# KiCad board nodular-base.kicad_pcb (continued)
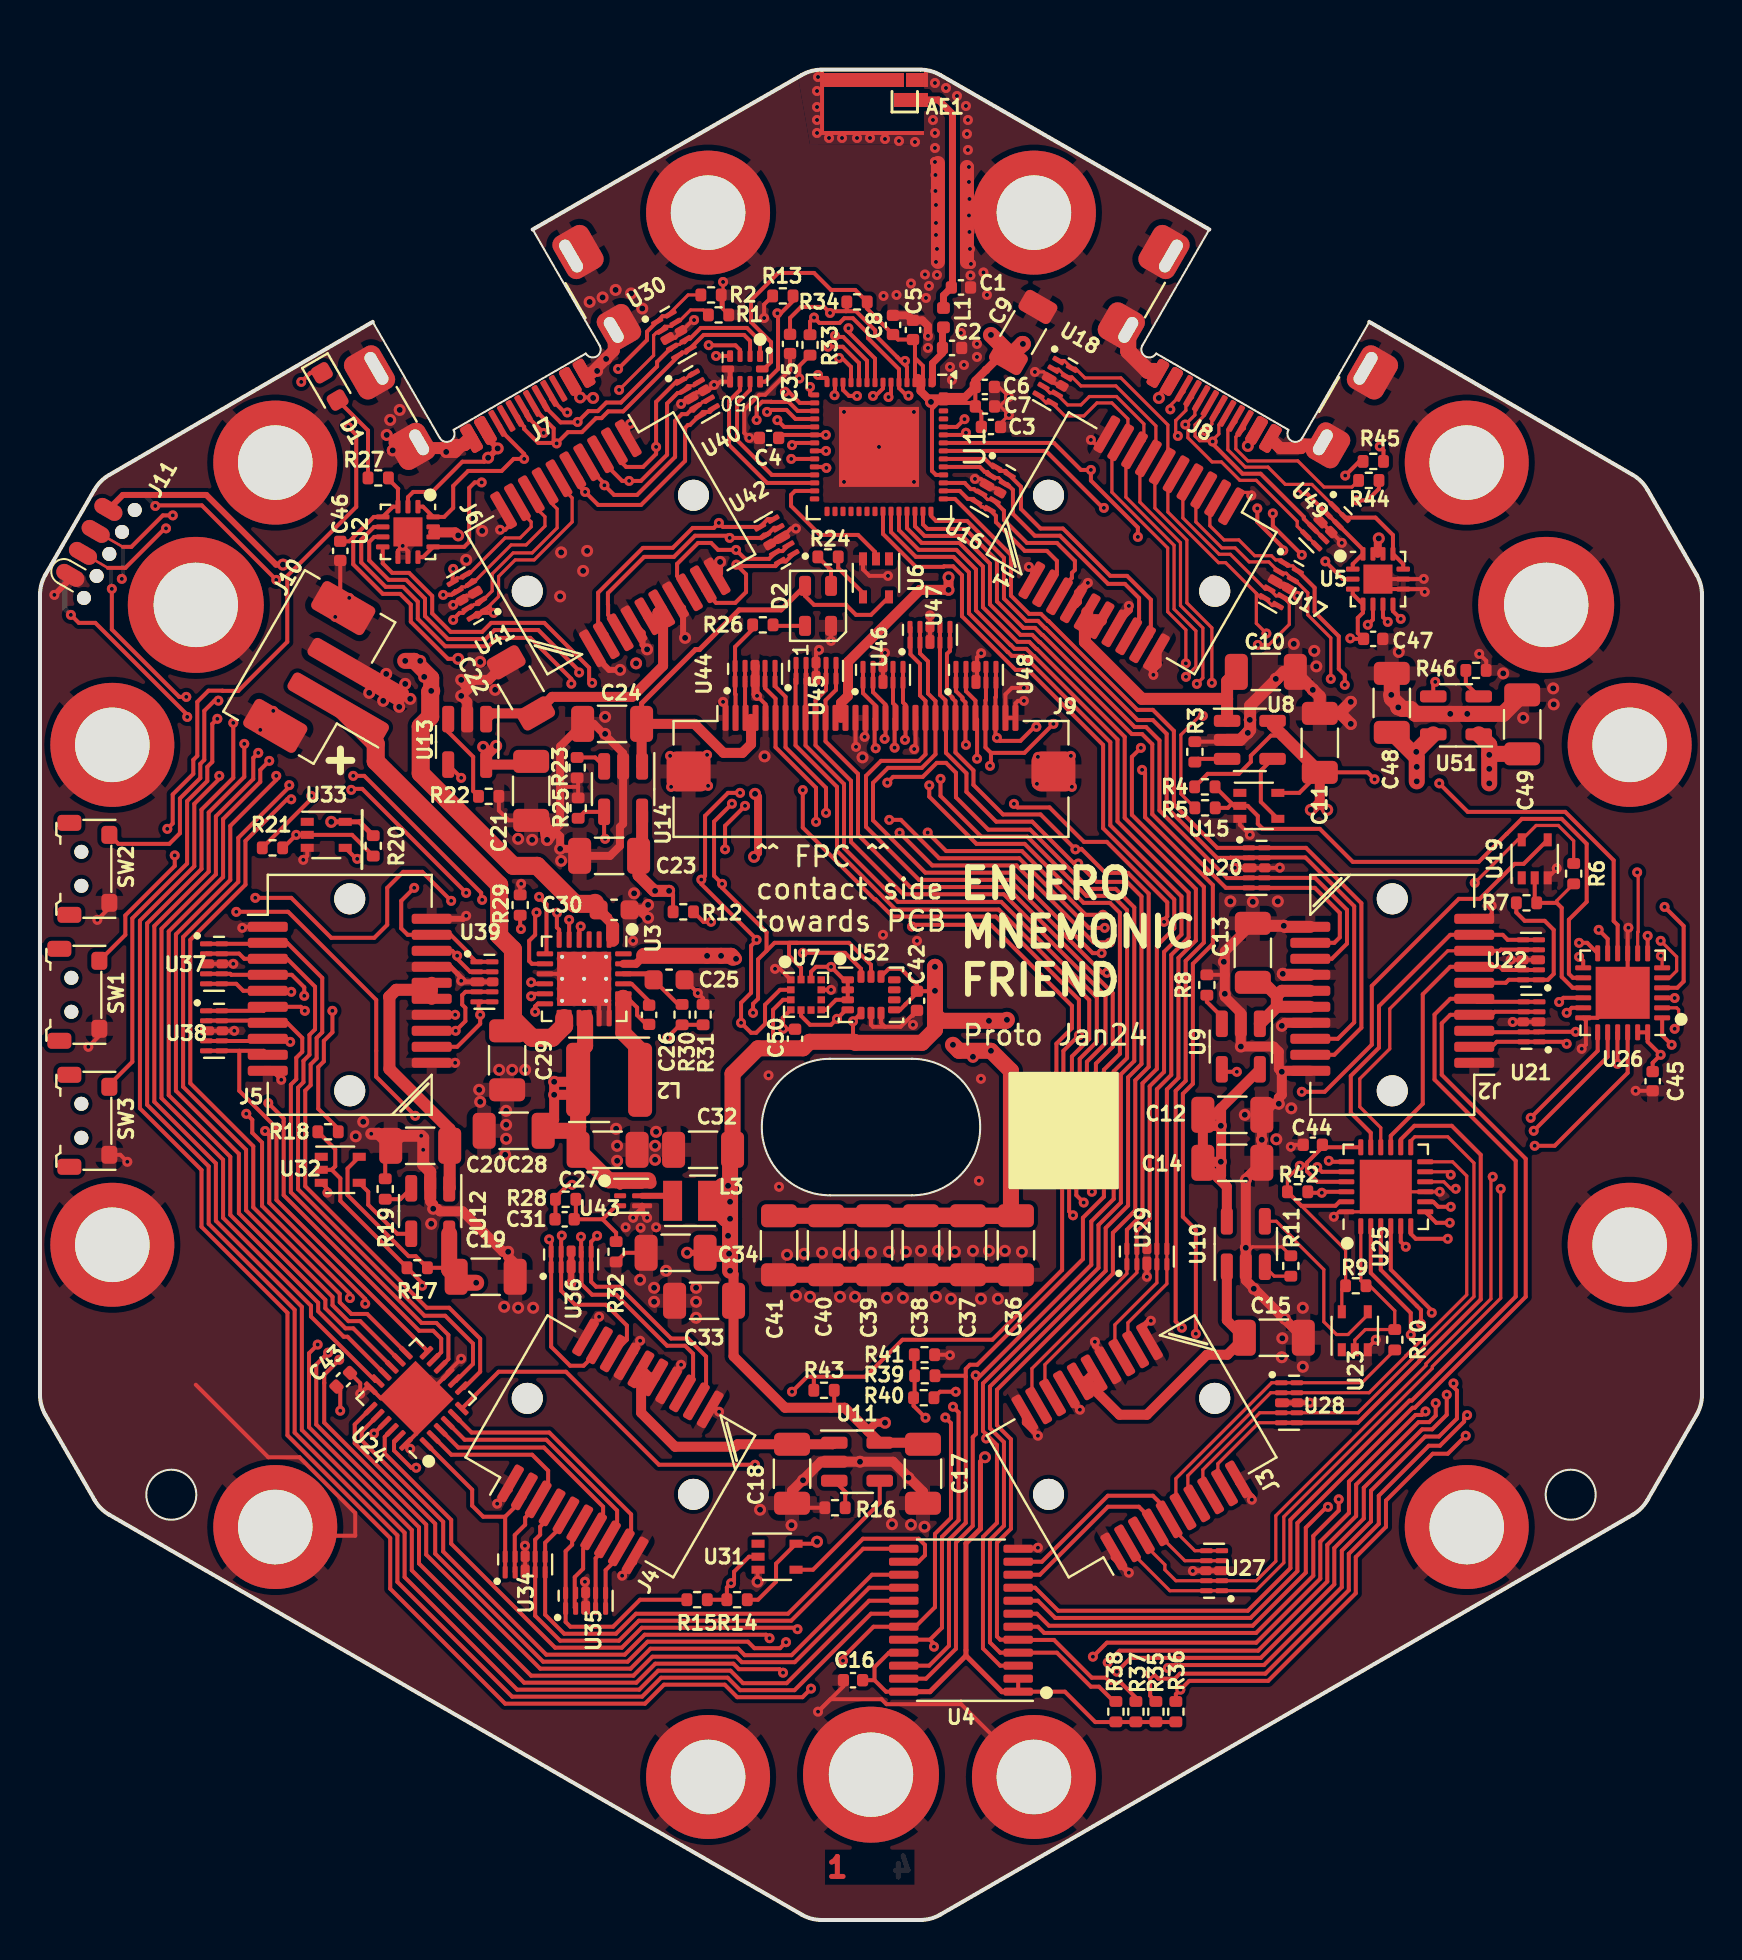
[diagram p0: board, top side]
## Routing (per net, layer and track width the routed paths; a pad name or vN(x,y) marks a point on that pad's centre or on a via; arc(x,y) is an arc through that point) (continued)
/NA_HS3: length 14.1
  Top w0.16: U16.2 47.68,72.13 47.96,72.13 U16.9
  Top w0.2: 54.87,64.97 54.98,65.08 54.98,66.11 54.27,66.82 53.43,66.82 51.02,69.23 49.76,69.23 48.67,70.32 48.67,71.52 48.39,71.8 48.26,71.8 ; 45.42,72.67 47.01,72.67 47.26,72.42 47.39,72.42 U16.2
/NA_HS4: length 16.1
  Top w0.2: U16.10 48.3,72.47 48.02,72.47 U16.1 47.68,72.65 47.27,73.07 45.42,73.07 ; J1.19 55.57,64.21 55.57,66.03 54.38,67.22 53.54,67.22 51.17,69.59 50.05,69.59 49.07,70.57 49.07,71.68 48.51,72.23
/NB_HS1: length 35.8
  Top w0.2: J2.12 64.74,48.87 65.02,49.14 65.02,50.37 63.77,51.62 U20.5 59.32,51.62 55.64,55.3 55.64,58.8 55.13,59.31 54.62,59.31 50.02,63.91 49.99,63.91 49.63,64.27 49.05,64.27 47.52,65.8 47.52,67.83 46.13,69.22 44.25,69.22 43.77,69.7 43.77,70.22
/NB_HS2: length 36.7
  Top w0.2: 44.17,70.22 44.17,69.79 44.39,69.57 46.28,69.57 47.87,67.98 47.87,65.94 49.19,64.62 49.78,64.62 50.14,64.26 50.16,64.26 54.76,59.66 55.33,59.66 56,58.99 56,55.49 59.38,52.11 60.46,52.11 U20.4 63.78,52.12 65.38,50.52 65.38,48.83 64.62,48.07 J2.13
/NB_HS3: length 41
  Top w0.2: J2.18 64.92,44.07 65.74,44.89 65.74,50.7 63.3,53.14 60.49,53.14 U20.2 60.46,53.13 59.56,53.13 59.55,53.12 58.88,53.12 56.36,55.64 56.36,59.32 55.67,60.01 54.91,60.01 50.31,64.61 50.28,64.61 49.92,64.97 49.34,64.97 48.22,66.09 48.22,68.12 46.37,69.97 44.82,69.97 44.57,70.22
/NB_HS4: length 41.7
  Top w0.2: 45.42,71.07 45.77,71.07 48.57,68.27 48.57,66.23 49.48,65.32 50.07,65.32 50.43,64.96 50.45,64.96 54.89,60.52 55.67,60.52 56.72,59.47 56.72,55.79 58.89,53.62 U20.1 63.33,53.62 66.1,50.85 66.1,44.62 64.74,43.27 J2.19
/NC_HS1: length 50.7
  Top w0.16: J3.12 54.42,28.93 54.42,29.87 56.37,31.82 U29.6
  Top w0.2: U29.6 56.37,41.54 56.95,42.12 56.95,48.12 57.82,48.99 57.82,51.56 54.26,55.12 54.26,59.17 49.87,63.56 49.85,63.56 49.49,63.92 48.9,63.92 47.17,65.65 47.17,67.69 45.99,68.87 44.1,68.87 43.37,69.6 43.37,70.22
/NC_HS2: length 51.2
  Top w0.16: J3.13 53.77,28.48 53.77,29.77 55.87,31.87 U29.7
  Top w0.2: U29.7 55.87,41.55 56.59,42.27 56.59,48.27 57.46,49.14 57.46,51.38 53.9,54.94 53.9,59.03 49.73,63.21 49.7,63.21 49.34,63.57 48.76,63.57 48.56,63.77 48.54,63.77 46.82,65.49 46.82,67.54 45.84,68.52 43.96,68.52 42.97,69.51 42.97,70.22
/NC_HS3: length 54.6
  Top w0.16: U29.9 54.87,32.38 50.27,27.78 50.27,26.52 J3.18
  Top w0.2: 42.57,70.22 42.57,69.41 43.81,68.17 45.7,68.17 46.47,67.4 46.47,65.35 48.4,63.42 48.41,63.42 48.61,63.22 49.2,63.22 49.56,62.86 49.58,62.86 53.54,58.9 53.54,54.75 57.1,51.19 57.1,49.28 56.23,48.41 56.23,42.41 55.51,41.69 55.51,35.08 54.86,34.43 54.86,33.58 U29.9
/NC_HS4: length 55.1
  Top w0.16: U29.10 54.37,32.33 49.62,27.58 49.62,26.08 J3.19
  Top w0.2: 42.17,70.22 42.17,69.32 43.82,67.67 45.19,67.67 45.22,67.7 45.68,67.7 46.12,67.25 46.12,65.2 48.8,62.52 49.43,62.52 53.18,58.76 53.18,54.6 56.74,51.04 56.74,49.59 55.87,48.72 55.87,42.56 55.15,41.84 55.15,35.3 54.37,34.52 U29.10
/ND_HS1: length 75.9
  Top w0.2: J4.12 32.83,26.13 33.32,26.62 33.32,28.18 32.42,29.08 31.57,29.08 28.98,31.67 27.82,31.67 27.57,31.92 U36.6 27.57,33.92 v1(27.87,34.22) ; v1(37.26,76.43) 37.45,76.43 38.01,75.87 38.52,75.87
  In2.Cu w0.2: v1(27.87,34.22) 26.67,35.42 22.68,35.42 20.75,37.35 19.34,37.35 18.2,38.49 18.2,51.82 19.8,53.42 20.38,53.42 24.63,57.66 24.63,62.78 26.34,64.49 27.66,64.49 29.32,66.15 35.45,66.15 36.94,67.64 36.94,74.19 37.57,74.82 37.57,75.93 37.26,76.23 v1(37.26,76.43)
/ND_HS2: length 73.6
  Top w0.2: v1(27.06,34.17) 27.07,34.16 U36.7 27.09,33.4 27.09,31.8 27.62,31.27 28.82,31.27 31.37,28.72 32.27,28.72 32.67,28.32 32.67,27.04 32.14,26.51 J4.13 ; v1(36.88,75.01) 37.22,74.67 38.52,74.67
  In2.Cu w0.2: v1(27.06,34.17) 26.17,35.06 22.53,35.06 20.6,36.99 19.19,36.99 17.84,38.34 17.84,51.97 19.65,53.78 20.23,53.78 24.27,57.81 24.27,62.92 26.19,64.84 27.52,64.84 29.19,66.51 35.3,66.51 36.58,67.79 36.58,74.51 36.88,74.82 v1(36.88,75.01)
/ND_HS3: length 70.8
  Top w0.2: 38.52,75.07 37.79,75.07 37.34,75.52 36.47,75.52 v1(36.37,75.42) ; v1(26.1,34.23) 26.07,34.2 U36.9 26.07,31.47 26.77,30.77 28.32,30.77 29.36,29.73 29.36,29.02 J4.18
  In2.Cu w0.2: v1(36.37,75.42) 36.37,74.81 36.22,74.66 36.22,67.94 35.15,66.87 29.05,66.87 27.37,65.19 26.05,65.19 23.88,63.02 23.88,57.93 20.08,54.14 19.5,54.14 17.48,52.12 17.48,38.19 19.04,36.63 20.37,36.63 22.45,34.55 25.68,34.55 26,34.23 v1(26.1,34.23)
/ND_HS4: length 72.6
  Top w0.2: J4.19 27.98,28.51 27.19,27.72 26.52,27.72 25.57,28.67 U36.10 25.57,33.94 v1(25.47,34.04) ; 38.52,75.47 37.9,75.47 37.45,75.92 36.59,75.92 36.58,75.93 36.13,75.93 35.85,75.65 v1(35.85,75.01)
  In2.Cu w0.2: v1(35.85,75.01) 35.65,75.01 34.97,74.33 34.97,73.47 35.82,72.62 35.82,68.04 35.01,67.23 28.92,67.23 27.23,65.54 25.9,65.54 23.52,63.16 23.52,58.08 19.94,54.5 19.35,54.5 17.12,52.27 17.12,38.04 18.89,36.27 20.22,36.27 22.45,34.04 v1(25.47,34.04)
/NE_HS1: length 46.5
  Top w0.2: v1(39.34,72.62) 39.29,72.67 U1.24 ; 22.72,45.92 21.94,45.92 21.94,45.34 v1(22.02,45.27) 22.02,44.82 20.87,43.67 J5.12
  In2.Cu w0.2: v1(39.34,72.62) 39.34,71.9 39.57,71.67 39.57,68.23 36.04,64.7 29.85,64.7 28.24,63.09 26.92,63.09 26.07,62.24 26.07,57.07 20.98,51.98 20.51,51.98 19.95,51.42 19.95,50.59 22.03,48.51 22.03,45.48 22.02,45.47 v1(22.02,45.27)
/NE_HS2: length 48.9
  Top w0.2: v1(39.32,73.47) U1.22 ; 22.72,46.42 21.28,46.42 21.12,46.25 21.12,45.78 21.28,45.62 21.28,44.95 v1(20.79,44.47) J5.13
  In2.Cu w0.2: v1(39.32,73.47) 38.79,72.94 38.79,71.83 39.17,71.46 39.17,68.34 35.9,65.07 29.73,65.07 28.1,63.44 26.77,63.44 25.71,62.38 25.71,57.22 20.83,52.34 20.36,52.34 19.59,51.57 19.59,50.4 21.66,48.32 21.66,46.71 21.51,46.56 21.51,45.18 v1(20.79,44.47)
/NE_HS3: length 44.2
  Top w0.2: v1(37.62,73.76) 37.73,73.87 38.52,73.87 ; 22.72,47.42 21.52,47.42 20.87,48.07 v1(20.87,48.22) 20.62,48.47 J5.18
  In2.Cu w0.2: v1(20.87,48.22) 19.23,49.86 19.23,51.72 20.21,52.7 20.68,52.7 25.35,57.37 25.35,62.51 26.63,63.79 27.95,63.79 29.59,65.43 35.75,65.43 38.81,68.49 38.81,71.28 38.19,71.89 38.19,73.32 37.75,73.76 v1(37.62,73.76)
/NE_HS4: length 43.2
  Top w0.2: 22.72,47.92 21.82,47.92 21.38,48.36 21.38,48.43 20.54,49.27 J5.19 18.39,49.27 18.07,49.59 18.07,50.97 v1(18.72,51.62) ; v1(37.58,73.07) 38.52,73.07
  In2.Cu w0.2: v1(37.58,73.07) 37.62,73.03 37.62,71.92 38.42,71.12 38.42,68.61 35.6,65.79 29.46,65.79 27.81,64.14 26.48,64.14 24.99,62.65 24.99,57.52 20.53,53.06 20.06,53.06 18.72,51.72 v1(18.72,51.62)
/NF_HS1: length 30.7
  Top w0.2: 41.77,77.12 41.77,78.09 40.44,79.41 v1(40.44,79.6) ; J6.12 28.33,64.31 27.92,64.72 27.92,66.38 30.16,68.62 31.65,68.62 32.65,69.62 33.71,69.62 v1(33.96,69.87) 34.16,69.67 U42.6 36.41,70.06 U42.5
  In2.Cu w0.2: v1(33.96,69.87) 34.29,70.2 34.29,72.07 33.43,72.93 33.43,74.84 37.89,79.3 38.21,79.3 38.54,79.63 39.23,79.63 39.42,79.82 40.23,79.82 v1(40.44,79.6)
/NF_HS2: length 29
  Top w0.2: U42.4 36.72,69.62 36.39,69.29 36.32,69.29 U42.7 ; v1(39.77,79.23) 39.83,79.17 40.18,79.17 41.37,77.98 41.37,77.12 ; 36.22,69.29 36.05,69.12 v1(34.5,69.12) 34.39,69.23 32.77,69.23 31.71,68.17 30.22,68.17 28.41,66.36 28.41,65.79 28.42,65.78 28.42,65.27 29.02,64.66 J6.13
  In2.Cu w0.2: v1(34.5,69.12) 34.65,69.27 34.65,72.22 33.79,73.08 33.79,74.69 38.03,78.94 38.36,78.94 38.65,79.23 v1(39.77,79.23)
/NF_HS3: length 23.2
  Top w0.2: U42.2 37.14,68.46 36.95,68.46 ; 40.97,77.12 40.97,77.87 40.16,78.68 v1(39.42,78.68) ; 31.97,67.12 31.87,67.22 31.87,67.82 32.92,68.87 33.57,68.87 33.92,68.52 v1(34.82,68.52) 35.27,68.07 36.47,68.07 U42.9
  In2.Cu w0.2: v1(39.42,78.68) 39.32,78.58 38.18,78.58 34.15,74.54 34.15,73.23 35.01,72.37 35.01,68.71 v1(34.82,68.52)
/NF_HS4: length 23.2
  Top w0.2: 40.57,77.12 40.57,77.67 40.12,78.12 v1(39.97,78.12) ; U42.1 37.3,67.94 U42.10 36.79,67.71 35.12,67.71 35.05,67.78 v1(34.83,67.78) 35.32,67.3 35.32,66.41 34.78,65.87 33.82,65.87 33.18,66.51 J6.19
  In2.Cu w0.2: v1(34.83,67.78) 35.37,68.32 35.37,72.52 34.51,73.38 34.51,74.39 38.29,78.18 39.91,78.18 v1(39.97,78.12)
/SCL_HOST: length 77.7
  Top w0.2: 45.42,74.67 45.86,74.67 v1(46.25,75.06) ; 46.31,27.17 46.31,19.86 45.47,19.02 45.47,13.71 44.48,12.72 U4.22 ; 46.31,27.17 46.26,27.22 R39.2 ; 46.31,27.17 46.31,27.56 46.52,27.77 46.89,27.77 52.17,33.05 52.17,35.12 53.22,36.17 53.22,42.52 54.02,43.32 54.02,50.37 53.52,50.87 52.2,50.87 49.25,53.82 46.84,53.82 44.48,56.18 v1(44.48,56.74)
  In2.Cu w0.2: v1(44.48,56.74) 44.48,57.43 45.07,58.02 45.07,65.44 44.44,66.07 44.44,73.25 v1(46.25,75.06)
/SCL_SYS: length 208.3
  Top w0.2: v1(64.47,37.97) 64.52,37.92 U25.19 ; R35.2 55.53,11.21 v1(55.53,12.3) 55.7,12.3 55.93,12.07 56.77,12.07 57.02,12.32 61.29,12.32 65.47,16.49 65.47,18.31 66.97,19.81 66.97,21.22 69.47,23.72 70.03,23.72 71.24,24.93 71.24,25.1 v1(71.39,25.25) ; v1(37.32,13.89) 37.02,13.59 35.74,13.59 35.41,13.92 30.39,13.92 29.39,12.92 25.17,12.92 19.77,18.32 19.77,19.82 15.74,23.84 15.74,24.78 U24.19 ; U4.20 44.52,14.02 ; 44.52,14.02 45.12,14.62 45.12,19.16 45.95,19.99 45.95,25.39 v1(45.67,25.67) ; 44.52,14.02 44.72,13.82 v1(44.72,13.67) ; 36.34,48.47 35.92,48.04 35.92,46.07 35.67,45.82 v1(35.67,45.37) ; 36.34,48.47 36.34,49.39 34.12,51.62 v1(34.12,51.82) 33.72,52.22 33.72,54.93 v1(34.61,55.82) ; 36.34,48.47 36.74,48.87 37.87,48.87 ; v1(26.47,50.02) U3.5 ; U26.19 77.92,43.47 v1(74.57,40.12) ; U52.13 41.57,47.77 40.47,48.87 37.87,48.87 ; U2.6 16.72,69.17 16.47,68.92 16.47,67.99 17.44,67.02 18.32,67.02 19.26,66.08 19.26,65.21 20.41,64.06 22.29,64.06 22.74,64.51 24.93,64.51 26.97,62.47 v1(26.97,62.39) ; 37.87,48.87 37.47,48.87 37.47,48.22 38.07,47.62 U7.12
  In2.Cu w0.2: v1(37.32,13.89) 37.42,13.79 44.59,13.79 v1(44.72,13.67) 45.14,14.09 53.79,14.09 55.53,12.35 v1(55.53,12.3) ; v1(64.47,37.97) 65.17,38.67 73.12,38.67 v1(74.57,40.12) 75.32,40.12 75.77,39.67 75.77,36.62 71.62,32.47 71.62,25.48 v1(71.39,25.25) ; v1(35.67,45.37) 35.67,43.21 35.57,43.11 35.57,31.94 38.49,29.02 42.32,29.02 v1(45.67,25.67) ; v1(34.12,51.82) 33.72,51.42 32.77,51.42 32.02,52.17 29.67,52.17 27.69,50.19 26.64,50.19 v1(26.47,50.02) ; v1(34.61,55.82) 34.46,55.67 30.42,55.67 27.09,59 27.09,62.27 v1(26.97,62.39)
/SCL_TOP: length 94.9
  Top w0.2: v1(67.42,64.92) 67.18,65.16 U5.6 ; U47.6 U47.5 45.52,63.47 45.37,63.32 45.37,61.41 45.64,61.14 45.64,61.09 45.79,60.94 J9.24 45.79,58.39 46.69,57.49 46.69,56.77 48.17,55.29 50.05,55.29 v1(51.79,53.54) 52.07,53.54 52.09,53.57 53.29,52.37 54.42,52.37 55.46,51.33 55.46,42.66 54.79,41.99 54.79,35.49 53.67,34.37 53.67,32.32 47.87,26.52 47.87,24.74 48.57,24.04 48.57,19.57 47.87,18.87 47.87,14.18 48.03,14.02 U4.5 48.94,14.01 50.72,14.01 52.61,12.12 53.32,12.12 53.57,11.87 54.07,11.87 54.82,11.12 R37.2
  In2.Cu w0.2: v1(67.42,64.92) 67.42,65.26 66.89,65.79 66.12,65.79 65.9,65.57 60.44,65.57 59.77,64.9 56.51,64.9 54.49,62.88 54.49,60.11 53.24,58.86 53.24,54.99 v1(51.79,53.54)
/SDA_HOST: length 78.4
  Top w0.2: R40.2 45.02,26.42 v1(45.81,26.42) ; 46.88,27.06 46.82,27 46.82,24.31 46.66,24.15 46.66,19.71 45.82,18.87 45.82,13.57 44.32,12.07 U4.23 ; 46.88,27.06 46.88,27.17 v1(46.81,27.24) ; 46.88,27.06 52.59,32.77 52.59,34.94 53.71,36.06 53.71,42.44 54.38,43.11 54.38,50.5 53.66,51.22 52.35,51.22 49.39,54.18 47.08,54.18 45.05,56.22 v1(45.05,57.07) ; v1(46.32,74.38) 46.21,74.27 45.42,74.27
  In2.Cu w0.2: v1(46.81,27.24) 46.63,27.24 v1(45.81,26.42) ; v1(46.32,74.38) 44.82,72.88 44.82,66.27 45.47,65.62 45.47,57.92 45.05,57.5 v1(45.05,57.07)
/SDA_SYS: length 212.4
  Top w0.2: v1(36.49,14.09) 36.32,14.27 30.25,14.27 29.25,13.27 25.33,13.27 20.17,18.43 20.17,19.91 16.09,23.99 16.09,24.42 U24.20 ; 35.87,49.02 33.08,51.81 v1(33.08,52.03) 33.27,52.22 33.27,55.22 34.42,56.37 v1(35.02,56.37) ; 35.87,49.02 v1(35.84,49.02) ; 35.87,49.02 35.57,48.72 35.57,46.37 35.07,45.87 v1(35.07,44.87) 35.57,44.37 35.83,44.37 36.27,44.81 36.27,45.77 37.02,46.52 U7.2 ; U3.6 25.97,49.52 25.86,49.64 25.86,50.36 v1(25.86,50.37) ; v1(71.32,24.22) 70.42,23.32 69.67,23.32 67.33,20.98 67.33,19.66 65.82,18.15 65.82,16.34 61.43,11.96 57.48,11.96 v1(57.04,11.52) 56.82,11.29 R36.2 ; U26.20 78.42,43.17 v1(74.72,39.47) ; U25.20 64.12,37.42 v1(63.89,37.65) ; v1(45.29,25.13) 45.57,24.85 45.57,20.11 44.77,19.31 44.77,15.65 43.79,14.67 U4.19 41.69,14.67 40.17,13.14 v1(40.17,12.97) ; v1(27.62,61.87) 27.47,62.02 27.47,62.63 25.23,64.87 22.57,64.87 22.12,64.42 20.54,64.42 19.62,65.34 19.62,66.21 18.46,67.37 17.62,67.37 17.14,67.84 U2.7 ; U52.14 41.07,47.57 40.27,48.37 v1(38.16,48.37)
  In2.Cu w0.2: v1(27.62,61.87) 27.62,59.02 30.52,56.12 34.2,56.12 34.45,56.37 v1(35.02,56.37) ; v1(25.86,50.37) 26.03,50.54 27.54,50.54 29.53,52.53 32.72,52.53 33.08,52.17 v1(33.08,52.03) ; v1(35.84,49.02) 37.51,49.02 v1(38.16,48.37) ; v1(45.29,25.13) 42.05,28.37 38.52,28.37 35.22,31.67 35.22,44.72 v1(35.07,44.87) ; v1(36.49,14.09) 36.49,13.92 37.09,13.32 39.82,13.32 v1(40.17,12.97) 40.19,12.94 45.17,12.94 45.89,13.67 53.47,13.67 54.69,12.44 54.69,12.19 55.37,11.52 v1(57.04,11.52) ; v1(71.32,24.22) 70.62,24.92 70.62,25.62 71.22,26.22 71.22,32.67 71.82,33.27 71.82,33.32 75.28,36.78 75.28,38.93 74.74,39.47 v1(74.72,39.47) 73.52,38.27 66.67,38.27 65.86,37.46 64.08,37.46 v1(63.89,37.65)
/SDA_TOP: length 95.7
  Top w0.2: R38.2 53.71,10.93 52.97,11.67 52.57,11.67 50.87,13.37 U4.4 48.03,13.37 47.52,13.88 47.52,19.01 48.22,19.71 48.22,23.9 47.52,24.6 47.52,26.68 53.31,32.47 53.31,34.61 54.43,35.73 54.43,42.14 55.1,42.81 55.1,51.19 54.37,51.92 52.85,51.92 v1(51.93,52.83) 51.73,52.83 49.63,54.93 47.83,54.93 46.34,56.42 46.34,57.34 45.32,58.37 45.32,59.47 45.29,59.49 J9.23 45.29,60.99 45.02,61.27 U47.4 U47.7 ; U5.7 67.68,65.46 v1(68.07,65.07)
  In2.Cu w0.2: v1(51.93,52.83) 53.59,54.49 53.59,58.72 54.84,59.97 54.84,62.73 56.66,64.55 59.95,64.55 60.62,65.22 66.04,65.22 66.27,65.44 66.74,65.44 66.92,65.27 66.92,64.71 67.21,64.42 67.63,64.42 68.07,64.86 v1(68.07,65.07)
/SFPs/A_LSEN: length 3.6
  Top w0.2: U15.4 61.07,55.92 61.07,57.48 U8.4
/SFPs/A_NDET: length 28.4
  Top w0.16: R5.2 57.07,56.32 57.07,59.27 58.02,60.22 v1(58.17,60.22) ; v1(58.62,61.87) 58.62,64.62 57.37,65.87 57.37,69.01 55.77,70.61 55.77,72.33 J1.6 56.42,72.98 56.42,74.77 54.07,77.12 52.27,77.12 51.79,77.6 U18.10 51.23,77.99 U18.1
  In2.Cu w0.16: v1(58.62,61.87) 58.62,60.67 v1(58.17,60.22)
/SFPs/B_LSEN: length 23.7
  Top w0.2: v1(63.12,41.42) 64.26,41.42 66.62,43.77 66.62,46.71 70.97,51.07 72.02,51.07 73.77,52.82 74.22,52.82 U19.4 ; 59.12,42.54 59.24,42.42 v1(59.87,42.42)
  In2.Cu w0.2: v1(63.12,41.42) 60.87,41.42 v1(59.87,42.42)
/SFPs/B_NDET: length 9.1
  Top w0.2: R7.2 73.85,50.39 74.27,49.97 75.27,49.97 75.72,49.52 75.72,47.31 75.43,47.02 U22.1 73.47,47.02 73.32,46.87 J2.6
/SFPs/C_LSEN: length 9.6
  Top w0.16: U10.4 61.84,34.94 62.66,34.13 62.66,34.09 64.22,32.53 64.22,29.92 64.86,29.28 65.43,29.28 66.42,30.27 U23.4
/SFPs/C_NDET: length 15.4
  Top w0.16: R10.2 66.13,26.87 U28.10 61.61,26.87 56.82,22.08 56.82,20.79 J3.6
/SFPs/D_LSEN: length 6.7
  Top w0.2: U31.4 38.67,17.52 42.01,20.86 U11.4
/SFPs/D_NDET: length 11.9
  Top w0.2: J4.6 26.62,19.45 26.62,18.77 26.29,18.44 U35.1 26.29,14.91 26.53,14.67 28.67,14.67 30.02,16.02 R15.2
/SFPs/E_LSEN: length 4
  Top w0.2: U12.4 17.87,34.32 16.42,35.77 16.42,36.42 U32.4
/SFPs/E_NDET: length 13.2
  Top w0.2: R18.2 14.92,39.57 13.92,40.57 13.92,42.66 14.2,42.94 14.2,43.96 14.63,44.39 v1(14.63,45.47) ; U38.1 11.19,45.47 J5.6 13.05,45.67 v1(13.25,45.47)
  In2.Cu w0.2: v1(14.63,45.47) v1(13.25,45.47)
/SFPs/F_LSEN: length 9.2
  Top w0.2: v1(15.87,53.07) 15.82,53.07 U33.4 ; U13.4 20.42,57.77 v1(21.07,57.12)
  In2.Cu w0.2: v1(15.87,53.07) 17.43,53.07 19.21,54.85 19.79,54.85 21.07,56.13 v1(21.07,57.12)
/SFPs/F_NDET: length 29
  Top w0.16: 26.27,71.47 26.62,71.12 26.62,69.92 24.72,68.02 23.77,68.02 22.94,67.19 22.94,66.18 U41.1 21.92,65.16 U41.10
  Top w0.2: v1(13.57,56.22) 13.57,56.07 R21.2 ; U41.10 21.84,65.37 v1(22.69,65.37)
  In2.Cu w0.2: v1(13.57,56.22) 13.76,56.41 13.77,56.41 14.57,57.21 14.57,60.67 17.57,63.67 21.11,63.67 22.39,64.95 22.39,65.07 v1(22.69,65.37)
/SFPs/PORTA_3V3: length 13.3
  Top w0.6: J1.16 52.76,65 52.38,64.62 ; C10.1 59.38,61.96 59.38,61.07 ; 59.38,61.07 U8.1 ; 59.38,61.07 55.12,61.07 52.27,63.92 52.27,64.5 52.38,64.62 ; 52.38,64.62 J1.15
/SFPs/PORTB_3V3: length 6.7
  Top w0.6: U9.1 61.87,45.67 ; 61.87,45.67 J2.16 ; 61.87,45.67 61.87,46.22 ; C13.1 61.19,46.89 61.87,46.22 ; J2.15 62.12,46.47 61.87,46.22
/SFPs/PORTC_3V3: length 15
  Top w0.5: J3.16 52.33,26.94 ; 52.33,26.94 J3.15 ; 52.33,26.94 54,25.27 55.37,25.27 58.37,28.27 59.39,28.27 C15.1 59.37,29.99 U10.1
/SFPs/PORTD_3V3: length 13.2
  Top w0.5: 30.46,27.14 30.07,26.74 30.07,25.37 31.77,23.67 34.77,23.67 34.89,23.79 C18.1 39.66,23.79 U11.1 ; 30.46,27.14 J4.15 ; 30.46,27.14 J4.16
/SFPs/PORTE_3V3: length 13.9
  Top w0.6: J5.16 19.59,46.52 ; 19.59,46.52 17.82,46.52 17.47,46.17 17.48,46.16 17.48,42.56 20.49,39.54 C20.1 20.49,36.62 U12.1 ; 19.59,46.52 J5.15
/SFPs/PORTF_3V3: length 14.1
  Top w0.5: J6.15 30.69,64.92 30.87,64.92 30.89,64.94 30.89,65.39 ; 30.89,65.39 31.17,65.12 31.17,62.72 29.62,61.17 25.62,61.17 C22.1 22.6,60.34 U13.1 ; 30.89,65.39 J6.16
/TOP_HS1: length 23.7
  Top w0.2: v1(39.75,76.25) 39.77,76.28 U1.13 ; v1(41.8,58.6) 41.75,58.65 41.75,60.07 J9.16 41.79,60.73 41.17,61.35 U46.1 U46.10
  In2.Cu w0.2: v1(39.75,76.25) 40.11,76.25 40.77,75.59 40.77,73.48 41.42,72.83 41.42,60.97 41.77,60.62 41.77,59.29 41.75,59.28 41.75,58.65 v1(41.8,58.6)
/TOP_HS2: length 22.8
  Top w0.2: U46.9 U46.2 41.67,61.41 42.29,60.78 J9.17 42.29,59.11 v1(42.25,59.07) ; v1(40.87,76.22) 40.47,76.22 40.17,76.52 U1.12
  In2.Cu w0.2: v1(40.87,76.22) 41.27,75.82 41.27,73.49 41.77,72.99 41.77,61.12 42.14,60.75 42.14,59.18 v1(42.25,59.07)
/TOP_HS3: length 23.6
  Top w0.2: v1(41.67,76.22) 41.79,76.22 42.17,76.59 U1.7 ; v1(42.75,58.63) 42.75,60.07 J9.18 42.79,60.73 42.67,60.85 U46.4 U46.7
  In2.Cu w0.2: v1(42.75,58.63) 42.75,60.25 42.97,60.47 42.97,68.03 42.12,68.88 42.12,72.82 42.47,73.17 42.47,74.2 41.67,75 v1(41.67,76.22)
/TOP_HS4: length 22.3
  Top w0.2: v1(43.27,59.02) 43.29,59.04 J9.19 43.29,60.77 43.17,60.89 U46.5 U46.6 ; U1.6 42.57,76.29 v1(42.44,76.16)
  In2.Cu w0.2: v1(42.44,76.16) 42.44,74.82 42.82,74.44 42.82,72.99 42.47,72.64 42.47,69.04 43.32,68.19 43.32,59.07 v1(43.27,59.02)
/USB+: length 8.2
  Top w0.2: 38.52,71.87 36.37,71.87 34.47,73.77 34.47,75.97 35.02,76.52 U50.7
/USB-: length 7.6
  Top w0.2: 38.52,72.27 36.61,72.27 34.87,74.01 34.87,75.87 35.52,76.52 U50.8
/USB/BAT+: length 23.3
  Top w0.2: U3.14 U3.13
  Top w0.9: 26.22,45.11 26.22,44.72 25.62,44.12 24.62,44.12 23.66,45.08 23.66,48.54 22.97,49.23 22.97,51.77 16.79,57.94 16.79,58.82 14.93,60.68 14.92,60.68
/USB/CC1: length 25.2
  Top w0.16: R1.1 33.18,80.52 32.54,80.52 32.03,80 31.89,80 31.59,79.7 31.25,79.7 30.93,79.38 30.83,79.38 30.69,79.24 30.69,78.24 v1(28.97,76.52)
  Top w0.2: U2.10 19.16,68.16 U2.11 21.22,68.67 21.47,68.92 21.47,71.62 21.74,71.89 v1(22.09,71.89) ; v1(26.38,75.39) 26.24,75.39 25.58,76.06 25.58,76.25 J7.A5
  In2.Cu w0.2: v1(22.09,71.89) 22.12,71.89 23.79,73.57 24.43,73.57 24.7,73.29 26.07,73.29 27.4,74.63 27.4,75.02 ; v1(26.38,75.39) 26.66,75.39 26.69,75.42 27.12,75.42 27.4,75.13 27.4,75.02 ; 27.4,75.02 27.77,75.02 28.97,76.22 v1(28.97,76.52)
/USB/CC2: length 24.1
  Top w0.16: 31.35,80.2 32.42,81.27 R2.1
  Top w0.2: J7.B5 23.02,74.71 23.02,74.52 24.22,73.32 v1(24.22,73.07) 23.69,73.07 23.09,72.47 21.42,72.47 20.67,71.72 20.67,70.62 20.22,70.17 U2.14 19.16,70.68 U2.1 ; 31.35,80.2 31.14,80.2 U30.1 30.36,79.43 30.36,79.01 v1(28.92,77.57)
  In2.Cu w0.2: v1(24.22,73.07) 24.37,72.92 26.47,72.92 29.48,75.93 29.48,77.01 v1(28.92,77.57)
/USB/HOST_D+: length 42.7
  Top w0.16: v1(58.27,74.47) 58.62,74.82 58.62,75.12 58.95,75.45 J8.A6 ; J8.B6 58.08,75.98 57.77,75.67 57.77,75.26 v1(57.29,74.79) 57.42,74.66 57.42,74.13 58.63,72.92 59.1,72.92 60.02,72 60.84,72 62.89,69.95 62.89,69.7 U49.6
  Top w0.2: v1(33.82,78.22) 34.51,78.22 U50.4
  In2.Cu w0.2: v1(33.82,78.22) 33.82,78.42 36.92,81.52 39.8,81.52 41.05,80.27 49.37,80.27 52.82,76.82 56.19,76.82 57.29,75.72 v1(57.29,74.79) 57.95,74.79 v1(58.27,74.47)
/USB/HOST_D-: length 44.2
  Top w0.16: 59.38,75.28 59.27,75.17 ; v1(58.66,73.94) 58.66,74.01 58.67,74.02 ; 59.32,75.22 59.32,75.12 58.97,74.77 58.97,74.32 58.67,74.02 ; 58.67,74.02 58.63,73.98 58.01,73.98 57.78,74.21 57.78,74.78 58.22,75.22
  Top w0.2: U49.7 63.22,70.08 63.22,70.17 61.06,72.33 60.15,72.33 58.66,73.82 v1(58.66,73.94) ; U50.3 35.02,78.52 34.79,78.75 33.46,78.75 v1(33.45,78.76)
  In2.Cu w0.2: v1(58.66,73.94) 58.78,74.06 58.78,74.92 56.53,77.17 53.12,77.17 49.67,80.62 41.19,80.62 39.84,81.97 36.68,81.97 33.47,78.76 v1(33.45,78.76)
/USB/PMIC_OTG: length 18.5
  Top w0.2: U3.8 24.61,47.82 24.47,47.96 24.47,48.97 24.77,49.27 24.77,50.32 v1(24.84,50.39) ; R12.1 33.19,49.92 v1(33.57,49.92)
  In2.Cu w0.2: v1(24.84,50.39) 24.99,50.39 25.49,50.89 27.39,50.89 29.42,52.92 33.87,52.92 34.77,52.02 34.77,51.12 v1(33.57,49.92)
/USB/PMID: length 141
  Top w0.2: U2.12 U2.13 ; U5.13 U5.12 ; v2(66.97,69.09) 66.92,69.04
  Top w0.4: U3.23 29.82,47.82 30.22,48.22 ; v2(35.72,53.17) 35.92,53.37 35.92,56.17 v2(35.77,56.32) ; 66.92,69.04 66.92,68.32
  Top w0.5: 19.67,69.39 20.77,69.39 v2(20.92,69.24)
  Top w0.8: C41.1 C36.1 ; C38.1 48.57,35.22 48.57,42.47 v2(47.57,43.47) 45.97,43.47 v2(45.67,43.77) ; C48.1 68.87,58.14 v2(68.87,56.94) ; U51.5 68.84,58.44 v2(68.84,58.42) ; 34.67,48.12 34.57,48.22 v2(34.07,48.22) v2(33.37,48.22) 30.22,48.22
  In1.Cu w0.4: v2(29.82,62.84) 29.82,62.91 26.87,65.86 26.87,66.29 26.84,66.29 24.44,68.69 21.49,68.69 20.94,69.24 v2(20.92,69.24)
  In2.Cu w0.3: v2(66.97,69.09) 66.97,66.67
  In2.Cu w0.4: v2(35.77,56.32) 35.77,57.27 30.19,62.84 v2(29.82,62.84) ; v2(34.82,48.07) 34.82,49.99 35.77,50.94 35.77,53.12 v2(35.72,53.17)
  In2.Cu w0.8: 32.87,48.22 34.62,48.22 34.77,48.07 v2(34.82,48.07) 34.97,48.07 39.17,43.87 45.57,43.87 v2(45.67,43.77) 46.77,43.77 46.87,43.67 46.87,43.37 v2(46.67,43.17) 46.97,43.47 v2(47.57,43.47) 46.77,43.47 46.19,44.04 46.19,51.67 50.72,56.19 50.72,58.54 51.57,59.39 51.57,61.09 56.24,65.77 56.24,66.42 57.94,68.12 59.54,68.12 60.47,67.19 63.52,67.19 64.04,66.67 67.6,66.67 68.87,65.4 68.87,58.44 v2(68.84,58.42) 68.87,58.39 v2(68.87,57.67) v2(68.87,56.94) 68.87,56.82
/USB/PMID_SW: length 46.9
  Top w0.2: v1(64.29,67.94) 65.18,67.06 U5.2 ; J8.A4 60.67,74.31 60.67,73.97 v2(60.42,73.72) ; v2(55.97,76.12) 55.97,76.3 J8.A9
  Top w0.8: v2(72.49,56.84) 72.49,58.77 U51.1 ; C49.1 72.54,58.32 v2(72.49,58.27)
  In2.Cu w0.2: v1(64.29,67.94) 64.29,68.84 64.07,69.07 ; 59.67,72.17 60.37,72.87
  In2.Cu w0.8: 59.57,72.07 60.37,72.87 60.37,73.67 v2(60.42,73.72) ; 59.57,72.07 59.57,70.57 60.65,69.49 63.64,69.49 64.07,69.07 65.02,70.02 68.24,70.02 70.57,67.69 70.57,62.54 72.47,60.64 72.47,58.29 v2(72.49,58.27) 72.47,58.24 72.47,57.59 v2(72.49,57.57) 72.47,57.54 72.47,56.87 v2(72.49,56.84) 72.47,56.82 72.47,56.79 ; 59.57,72.07 55.82,72.07 55.27,72.62 55.27,75.42 v2(55.97,76.12)
/USB/RX: length 8.5
  Top w0.16: J8.B8 60.25,74.6 59.82,74.17 59.82,73.57 60.42,72.97 62.92,72.97 64.23,71.66 65.63,71.66 R44.2
/USB/STAT: length 57.5
  Top w0.2: v1(20.57,50.97) 19.12,52.42 18.17,52.42 17.37,51.62 17.37,49.77 16.72,49.12 14.57,49.12 12.57,51.12 v1(10.77,51.12) ; U3.4 26.97,49.61 v1(27.05,49.69) ; v1(15.42,74.67) 15.82,74.27 15.82,70.67 12.37,67.22 12.37,63.92 9.92,61.47 9.14,61.47 9.13,61.48 8.43,61.48 7.87,60.92 7.87,58.22 7.67,58.02 7.67,57.32 6.64,56.29 6.64,54.84 v1(6.37,54.57) ; 14.32,77.29 14.24,77.37 D1.1 13.53,77.37 v1(13.07,76.92)
  In2.Cu w0.2: v1(13.07,76.92) 15.32,74.67 v1(15.42,74.67) ; v1(20.57,50.97) 20.82,50.72 21.69,50.72 22.29,50.12 24.32,50.12 25.17,49.27 26.51,49.27 26.93,49.69 v1(27.05,49.69) ; v1(6.37,54.57) 6.37,54.32 9.57,51.12 v1(10.77,51.12)
/USB/TX: length 16.4
  Top w0.16: v1(56.92,74.22) 56.81,74.33 56.81,74.98 57.32,75.49 57.32,75.82 57.65,76.15 J8.A8
  Top w0.2: R45.2 66,72.94 v1(65.29,72.24)
  In2.Cu w0.16: v1(56.92,74.22) 56.92,73.77 57.37,73.32 58.82,73.32 59.39,73.89 59.39,74.07 60.01,74.7 60.91,74.7 62,73.6 62,72.94 62.7,72.24 v1(65.29,72.24) 63.81,72.24 63.72,72.14
/USBSEL: length 79.8
  Top w0.2: v1(77.97,49.52) 78.42,49.07 78.42,48.34 ; v1(48.72,55.82) 48.9,55.64 50.5,55.64 52.22,53.92 53.37,53.92 56.39,50.89 56.39,50.19 56.12,49.92 v1(56.23,49.92) ; R13.2 37.67,80.97 37.05,80.35 v1(36.89,80.35) 36.92,80.32 36.92,77.56 36.28,76.93 U50.9
  In2.Cu w0.2: v1(48.72,55.82) 49.32,56.42 49.32,60.23 50.02,60.93 50.02,68.72 52.02,70.72 52.02,77.12 49.22,79.92 40.9,79.92 39.75,81.07 37.57,81.07 36.89,80.38 v1(36.89,80.35) ; v1(56.23,49.92) 56.97,49.92 57.33,50.28 62.66,50.28 63.6,49.34 71.22,49.34 71.62,49.74 77.75,49.74 v1(77.97,49.52)
/VSYS: length 44.2
  Top w0.2: U3.16 U3.15 ; R12.2 31.67,51.27 v2(31.47,51.47)
  Top w0.3: U43.6 U43.1
  Top w0.4: U43.1 29.17,36.87 30.54,36.87
  Top w0.5: L2.2 26.82,41.92 v2(25.72,41.92) 25.72,40.02 C28.1 ; v2(25.72,41.27) 26.67,41.27
  Top w0.6: 30.54,36.87 30.42,36.99 ; U14.5 30.12,53.39 C23.1 29.94,52.24 30.72,51.47 v2(30.77,51.47) v2(31.47,51.47)
  Top w0.8: 26.92,39.67 26.92,43.37 27.27,43.72 27.27,45.11 ; 26.92,39.67 26.72,39.47 C28.1 ; 26.92,39.67 C27.1 28.44,36.99 30.42,36.99
  In2.Cu w0.6: 31.47,50.92 31.47,46.97 32.08,46.36 32.08,43.68 31.27,42.87 26.07,42.87 25.72,42.52 v2(25.72,41.92) v2(25.72,41.27) ; 31.47,50.92 v2(31.47,51.47) ; 31.47,50.92 30.92,51.47 v2(30.77,51.47)
